# Altium PCB SensorMotherBoard.PcbDoc (part 1 of 2) (continued)
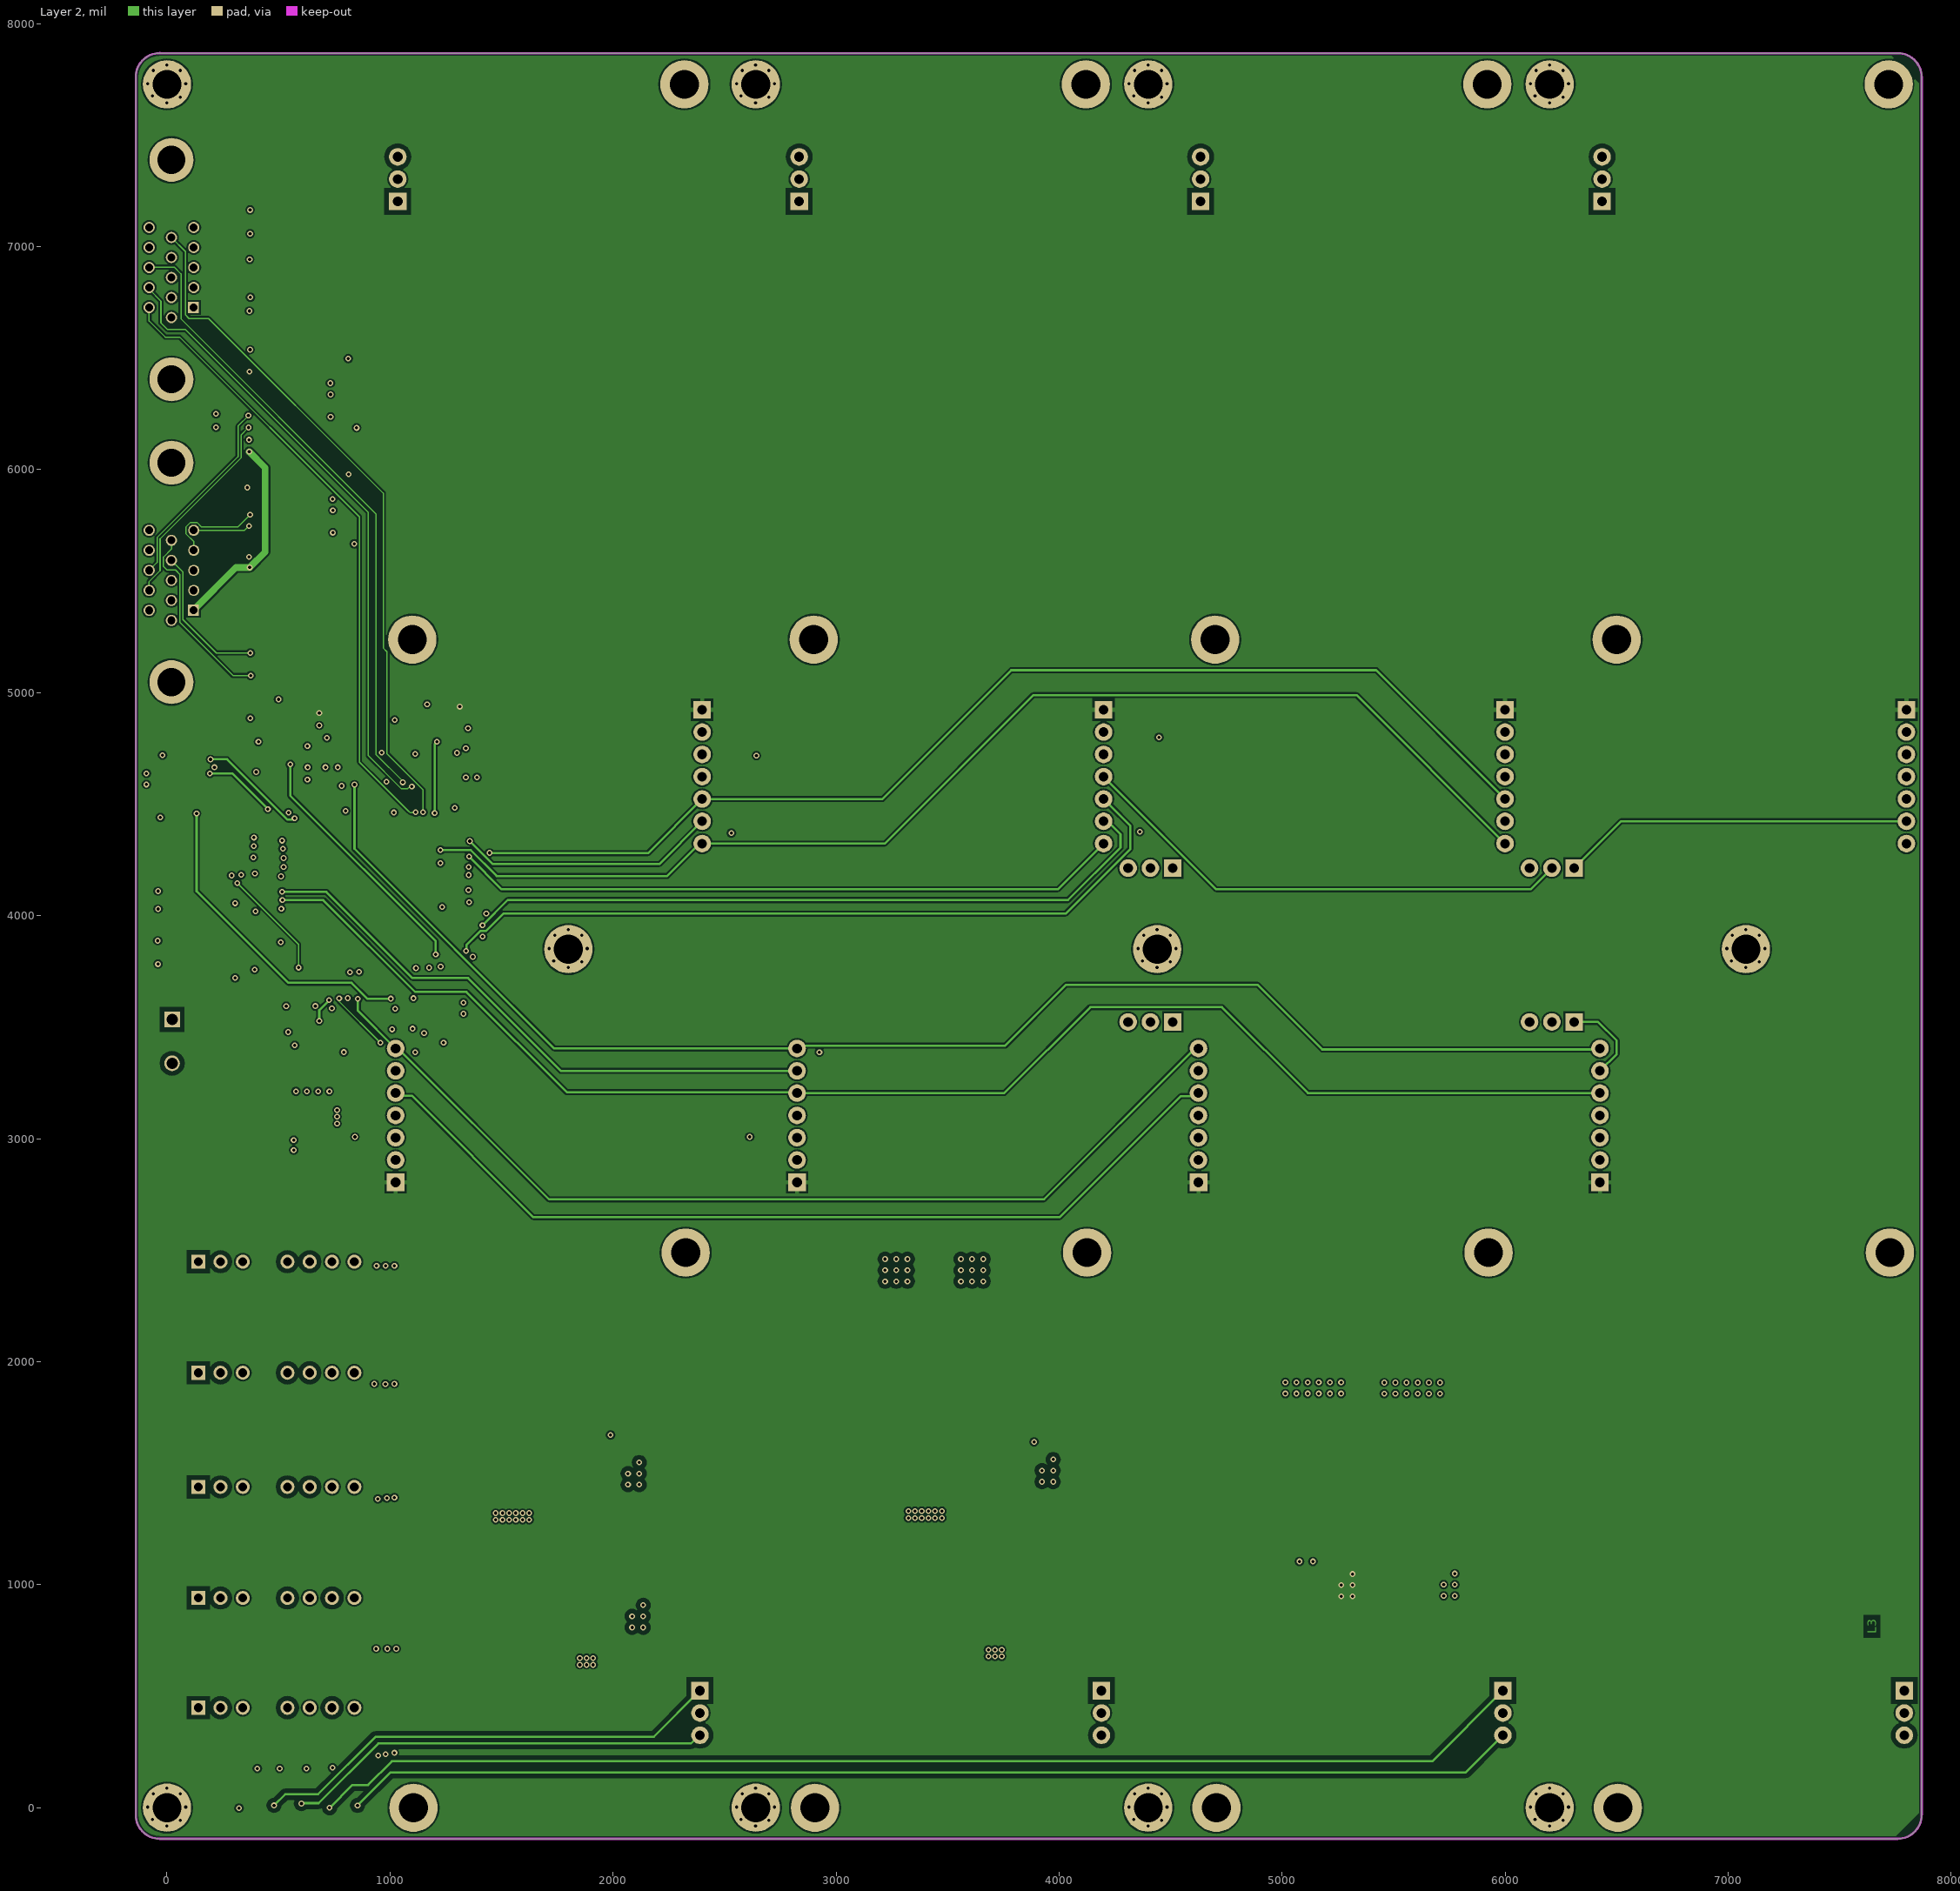
[diagram p3: Layer 2]
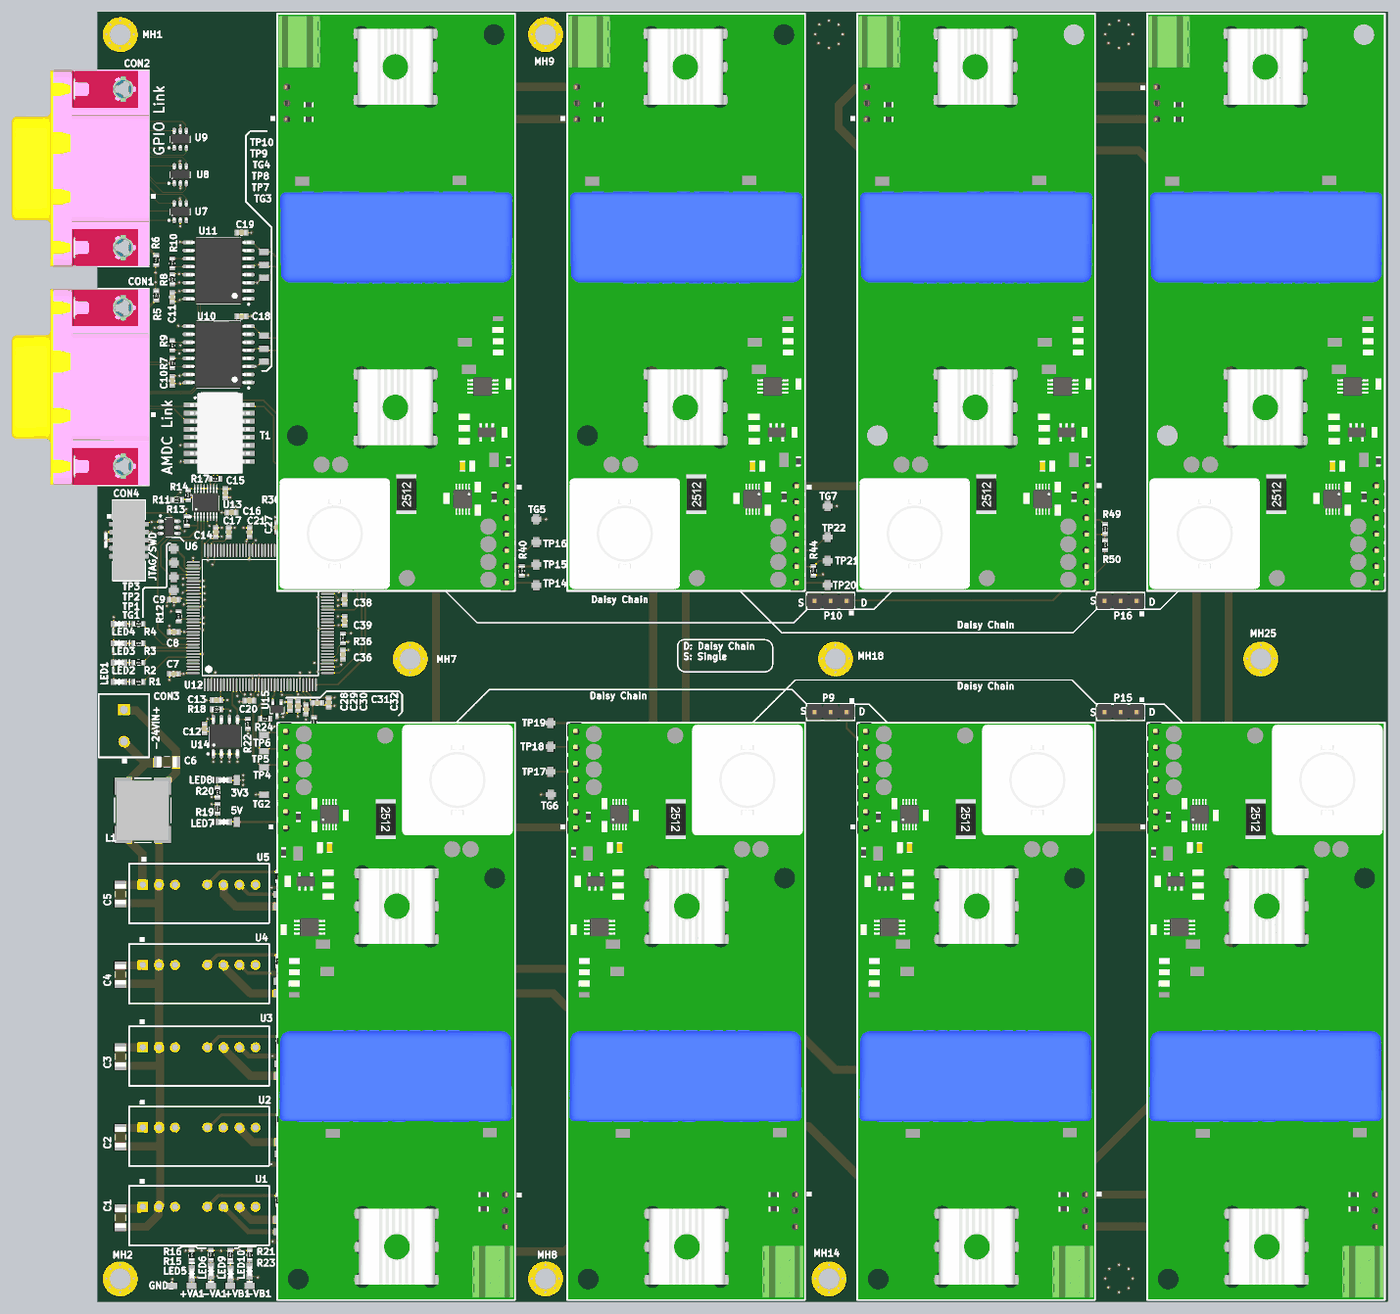
[diagram p5: 3D render of the assembled board from above, using the file's embedded part models]

## Layer stack, top to bottom
Top Solder: solder mask 0.4, Solder Resist, Dk 3.5
Top Layer: signal copper 1.4
Dielectric 2: prepreg 2.8, PP-006, Dk 4.1
Layer 1: signal copper 1.378
Dielectric 1: dielectric 12.6, FR-4, Dk 4.8
Layer 2: signal copper 1.378
Dielectric 3: prepreg 2.8, PP-006, Dk 4.1
Bottom Layer: signal copper 1.4
Bottom Solder: solder mask 0.4, Solder Resist, Dk 3.5

## Board outline
-140,-31.73 -140,7760.64 -140,7759.97 cw(c-31.73,7759.97) -31.73,7868.24 -31.97,7868 7759.72,7868 7759.72,7867.96 cw(c7759.72,7759.69) 7867.99,7759.69 7868,7759.69 7868,-31.73 7867.86,-31.73 cw(c7759.6,-31.73) 7759.6,-140 -31.73,-140 cw(c-31.73,-31.73)

## Design rules (kind name [scope] priority, off if disabled: settings)
Clearance Clearance_LVLC [InNet('5V') or InNet('3V3') or InNet('GND') vs InNet('5V') or InNet('3V3') or InNet('GND')] p1: gap=7.5 ignorepadtopadclearanceinfootprint=FALSE // low voltage high clearance
Clearance Clearance_LVHC [InNetClass('Supply_volts') vs InNet('5V') or InNet('3V3') or InNet('GND')] p2: gap=20 ignorepadtopadclearanceinfootprint=FALSE // low voltage high clearance
Clearance Clearance_LV [InNet('5V') or InNet('GND') or InNet('3V3')] p3: gap=7.5 ignorepadtopadclearanceinfootprint=FALSE
Clearance Clearance_supplyvolts [InNetClass('Supply_volts')] p4: gap=20 ignorepadtopadclearanceinfootprint=FALSE
Clearance Clearance_all [All] p5: gap=7.5 ignorepadtopadclearanceinfootprint=FALSE
Clearance Clearance_1 [InNet('HV1') vs InNet('GND')] p6: gap=50 ignorepadtopadclearanceinfootprint=FALSE except(0: Arc-Hole Track-Hole SMDPad-Hole THPad-Hole Via-Hole Fill-Hole Poly-Hole Region-Hole Text-Hole; 10: Arc-Text Track-Text SMDPad-Text THPad-Text Via-Text Fill-Text Poly-Text Region-Text Text-Text; 90: Arc-Arc Arc-Track Arc-SMDPad Arc-THPad Arc-Via Track-Track Track-SMDPad Track-THPad Track-Via SMDPad-SMDPad SMDPad-THPad SMDPad-Via THPad-THPad THPad-Via Via-Via)
ComponentClearance [All] p1: gap=0 collisioncheckmode=3 verticalgap=0 showdistances=FALSE
Height [All] p1: minheight=0 maxheight=5000 prefheight=500
HoleSize [All] p1: absolutevalues=TRUE maxlimit=150 minlimit=1 maxpercent=80.000 minpercent=20.000
PolygonConnect [All] p1: thpad.connectstyle=Relief thpad.reliefconductorwidth=20 thpad.reliefentries=4 thpad.polygonreliefangle="90 Angle" thpad.airgapwidth=10 smdpad.connectstyle=Relief smdpad.reliefconductorwidth=10 smdpad.reliefentries=4 smdpad.polygonreliefangle="90 Angle" smdpad.airgapwidth=10 via.connectstyle=Direct via.reliefconductorwidth=10 via.reliefentries=4 via.polygonreliefangle="90 Angle" via.airgapwidth=10
RoutingVias [All] p1: holewidth=14 width=26 viastyle="Through Hole" minholewidth=14 minwidth=26 maxholewidth=28 maxwidth=50
SilkToSilkClearance [All] p1: silktosilkclearance=0
SilkToSolderMaskClearance [IsPad] p1: minsilkscreentomaskgap=0 clearancetoexposedcopper=TRUE
SolderMaskExpansion [All] p1: expansion=4 istentingtop=FALSE
Width [All] p1: maxlimit=100 minlimit=6 preferedwidth=10 minimp=50.000000 maximp=50.000000 favimp=50.000000
25 further rules are at their usual default settings.

## Classes and differential pairs
net class Supply_volts: 3V3 5V 24V +5V5 +15VA +15VB +16.5VA +16.5VB -15VA -15VB -16.5VA -16.5VB GND GNDIN NetC6_1 NetC6_2 NetC42_2 NetC43_1 NetC46_2 NetC47_1 NetC49_2 NetC51_2 NetLED5_C NetLED6_A NetLED7_C NetLED8_C NetLED9_C NetLED10_A NetR25_1 NetR26_2 NetR27_1 NetR28_1 NetR29_1 NetU1_3 NetU1_8 NetU6_3 NetU6_8 NetU9_5 NetU12_5 NetU16_3 NetU16_8 NetU17_3 NetU17_8 NetU18_3 NetU18_8
component class U_SensorCard_headers: *1 DC1 DC2 DC3 DC4 DC5 DC6 DC7 DC8 P1 P2 P3 P4 P5 P6 P7 P8 P9 P10 P11 P12 P13 P14 P15 P16 P17 P18 P19 P20 R33 R40 R41 R44 R45 R46 R49 R50 R51 R52 R53 R54
component class U_Processor: C7 C8 C9 C12 C13 C14 C17 C20 C21 C27 C28 C29 C30 C31 C32 C35 C36 C37 C38 C39 CON2 CON4 LED1 LED2 LED3 LED4 R1 R2 R3 R4 R5 R12 R18 R22 R24 R34 R36 R37 TG1 TG2 TG3 TG4 TG5 TG6 TG7 TP1 TP2 TP3 TP4 TP5 TP6 TP7 TP8 TP9 TP10 TP11 TP12 TP13 TP14 TP15 TP16 TP17 TP18 TP19 TP20 TP21 TP22 U6 U7 U8 U9 U12 U14 U15
component class U_ConnectorIsolation: C10 C11 C15 C16 C18 C19 C33 C34 CON1 R6 R7 R8 R9 R10 R11 R13 R14 R17 R30 R31 R32 R35 T1 U10 U11 U13 U16
component class TopLevel: MH1 MH2 MH3 MH4 MH5 MH6 MH7 MH8 MH9 MH10 MH11 MH12 MH13 MH14 MH15 MH16 MH17 MH18 MH19 MH20 MH21 MH22 MH23 MH24 MH25 MH26 MH27
component class U_PowerIsolation: 1 2 *1 +VA1 +VB1 -VA1 -VB1 C1 C2 C3 C4 C5 C6 C22 C23 C24 C25 C26 C40 C41 C42 C43 C44 C45 C46 C47 C48 C49 C50 C51 CON3 GND1 L1 LED5 LED6 LED7 LED8 LED9 LED10 R15 R16 R19 R20 R21 R23 R25 R26 R27 R28 R29 R38 R39 R42 R43 R47 R48 U1 U2 U3 U4 U5 U17 U18 U19 U20 U21 U22

## Components (designator, comment, footprint, x,y, rotation, side; value= is the part's Value field where it differs from the comment)
3V3 "RCU-0C" RCU-0C#1 722.91,3098 r0 top
5V "RCU-0C" RCU-0C#1 722.91,2838 r0 top
+VA1 "RCU-0C" RCU-0C#1 442.91,-42 r90 top
+VB1 "RCU-0C" RCU-0C#1 682.91,-42 r90 top
-VA1 "RCU-0C" RCU-0C#1 562.91,-42 r270 top
-VB1 "RCU-0C" RCU-0C#1 802.91,-42 r270 top
C1 "6.8uF, 50V" CAP-1206 0,380 r90 top
C2 "6.8uF, 50V" CAP-1206 0,880 r270 top
C3 "6.8uF, 50V" CAP-1206 0,1380 r270 top
C4 "6.8uF, 50V" CAP-1206 0,1890 r270 top
C5 "6.8uF, 50V" CAP-1206 0,2390 r270 top
C6 "6.8uF, 50V" CAP-1206 290,3210 r180 top
C7 "Capacitor" 0603-CAP 332.91,3758 r180 top value=0.1uF
C8 "Capacitor" 0603-CAP 332.91,4018 r180 top value=0.1uF
C9 "Capacitor" 0603-CAP 332.91,4218 r180 top value=0.1uF
C10 "Capacitor" 0603-CAP 322.91,5578 r90 top value=0.1uF
C11 "Capacitor" 0603-CAP 322.91,6098 r90 top value=0.1uF
C12 "Capacitor" 0603-CAP 522.91,3418 r270 top value=0.1uF
C13 "Capacitor" 0603-CAP 598.01,3594.72 r180 top value=0.1uF
C14 "Capacitor" 0603-CAP 592.91,4638 r90 top value=0.1uF
C15 "Capacitor" 0603-CAP 652.91,4880.44 r270 top value=0.1uF
C16 "Capacitor" 0603-CAP 690,4760 r0 top value=0.1uF
C17 "Capacitor" 0603-CAP 672.91,4638 r90 top value=0.1uF
C18 "Capacitor" 0603-CAP 752.91,5978 r0 top value=0.1uF
C19 "Capacitor" 0603-CAP 752.91,6498 r0 top value=0.1uF
C20 "Capacitor" 0603-CAP 800.79,3591.39 r180 top value=0.1uF
C21 "Capacitor" 0603-CAP 802.91,4638 r90 top value=0.1uF
C22 "10uF" CAP-0805 979.27,1811.33 r270 top
C23 "10uF" CAP-0805 980,330 r270 top
C24 "10uF" CAP-0805 980,2350 r270 top
C25 "10uF" CAP-0805 985.84,1298.31 r270 top
C26 "10uF" CAP-0805 988.09,812.21 r270 top
C27 "Capacitor" 0603-CAP 972.91,4668 r90 top value=0.1uF
C28 "Capacitor" 0603-CAP 1052.91,3558 r270 top value=0.1uF
C29 "Capacitor" 0603-CAP 1103.75,3558 r90 top value=0.1uF
C30 "Capacitor" 0603-CAP 1152.91,3538 r270 top value=0.1uF
C31 "Capacitor" 0603-CAP 1222.91,3578 r0 top value=0.1uF
C32 "Capacitor" 0603-CAP 1294.26,3580.1 r270 top value=0.1uF
C33 "Capacitor" 0603-CAP 1312.91,4870.44 r270 top value=0.1uF
C34 "Capacitor" 0603-CAP 1340,4790 r0 top value=0.1uF
C35 "Capacitor" 0603-CAP 1340,4550 r90 top value=0.1uF
C36 "Capacitor" 0603-CAP 1382.91,3878 r90 top value=0.1uF
C37 "Capacitor" 0603-CAP 1390,4550 r90 top value=0.1uF
C38 "Capacitor" 0603-CAP 1392.91,4218 r270 top value=0.1uF
C39 "Capacitor" 0603-CAP 1392.91,4088 r90 top value=0.1uF
C40 "1uF" CAP-0603 1685.35,1288 r0 top
C41 "1uF" CAP-0603 1756.57,640.21 r0 top
C42 "1uF" CAP-0603 1960,1630 r180 top
C43 "1uF" CAP-0603 1963.44,807.77 r270 top
C44 "1uF" CAP-0603 3550.15,1303.73 r0 top
C45 "1uF" CAP-0603 3579.85,678 r0 top
C46 "1uF" CAP-0603 3822.44,1640 r180 top
C47 "1uF" CAP-0603 3797.41,848 r270 top
C48 "10uF" CAP-0805 5041.2,1155.95 r180 top
C49 "1uF" CAP-0603 5165.83,1171.74 r0 top
C50 "10uF" CAP-0805 5501.16,1157.96 r180 top
C51 "1uF" CAP-0603 5614.49,1173.75 r0 top
CON1 "ICD15S13E4GV00LF" ICD15S 20,5539.22 r270 top
CON2 "ICD15S13E4GV00LF" ICD15S 20,6897.29 r270 top
CON3 "TERM BLOCK 1x2" 1935161 22.91,3436.43 r270 top
CON4 "20021521-00010D4LF" 20021521-00010D4LF 54.46,4588 r270 top
DC1 "SensorBoard" SENSORBOARD 1105,-0.85 r0 top locked
DC2 "SensorBoard" SENSORBOARD 2320,7728 r180 top locked
DC3 "SensorBoard" SENSORBOARD 2905,-0.85 r0 top locked
DC4 "SensorBoard" SENSORBOARD 4120,7728 r180 top locked
DC5 "SensorBoard" SENSORBOARD 4705,-0.85 r0 top locked
DC6 "SensorBoard" SENSORBOARD 5920,7728 r180 top locked
DC7 "SensorBoard" SENSORBOARD 6505,-0.85 r0 top locked
DC8 "SensorBoard" SENSORBOARD 7720,7728 r180 top locked
GND1 "RCU-0C" RCU-0C#1 322.91,-42 r90 top
L1 "744273801" WE-SL5 140,2910 r270 top
LED1 "BLUE" 0603-LED -7.09,3708 r180 top
LED2 "GREEN" 0603-LED -7.09,3828 r180 top
LED3 "YELLOW" 0603-LED -7.09,3948 r180 top
LED4 "RED" 0603-LED -7.09,4068 r180 top
LED5 "RED" 0603-LED 444.18,32.84 r270 top
LED6 "YELLOW" 0603-LED 562.91,48 r90 top
LED7 "RED" 0603-LED 642.91,2838 r0 top
LED8 "RED" 0603-LED 642.91,3098 r0 top
LED9 "RED" 0603-LED 684.17,31.63 r270 top
LED10 "YELLOW" 0603-LED 802.91,48 r90 top
MH1 "M3" "MOUNTING HOLE - M3"#1 -120,7713 r0 top
MH2 "M3" "MOUNTING HOLE - M3"#2 8030,38 r0 top
MH3 "M3" "MOUNTING HOLE - M3"#3 759.67,12688.58 r0 top locked
MH4 "M3" "MOUNTING HOLE - M3"#4 1590.52,9954.09 r0 top locked
MH5 "M3" "MOUNTING HOLE - M3"#5 -5405,7708 r180 top locked
MH6 "M3" "MOUNTING HOLE - M3"#6 3225.52,12444.09 r0 top locked
MH7 "M3" "MOUNTING HOLE - M3"#7 2605.52,3749.09 r0 top
MH8 "M3" "MOUNTING HOLE - M3"#8 8064.48,38 r0 top
MH9 "M3" "MOUNTING HOLE - M3"#9 2533.59,2984.57 r0 top
MH10 "M3" "MOUNTING HOLE - M3"#10 9794.13,-687 r180 top locked
MH11 "M3" "MOUNTING HOLE - M3"#11 -2395.33,14310.84 r0 top locked
MH12 "M3" "MOUNTING HOLE - M3"#12 5435,9075.73 r180 top locked
MH13 "M3" "MOUNTING HOLE - M3"#13 -15284.46,11813.58 r0 top locked
MH14 "M3" "MOUNTING HOLE - M3"#14 8030,38 r0 top
MH15 "M3" "MOUNTING HOLE - M3"#15 4900,8763 r0 top
MH16 "M3" "MOUNTING HOLE - M3"#16 4335,5248 r180 top locked
MH17 "M3" "MOUNTING HOLE - M3"#17 2191.67,15024.58 r0 top locked
MH18 "M3" "MOUNTING HOLE - M3"#18 5213.79,3878.57 r0 top
MH19 "M3" "MOUNTING HOLE - M3"#19 7485,1763 r180 top locked
MH20 "M3" "MOUNTING HOLE - M3"#20 -1315.33,15233.58 r0 top locked
MH21 "M3" "MOUNTING HOLE - M3"#21 8320,38 r0 top
MH22 "M3" "MOUNTING HOLE - M3"#22 5175,8763 r0 top
MH23 "M3" "MOUNTING HOLE - M3"#16 6135,5248 r180 top locked
MH24 "M3" "MOUNTING HOLE - M3"#23 -2364.33,6239.58 r0 top locked
MH25 "M3" "MOUNTING HOLE - M3"#24 7085.52,3849.09 r0 top
MH26 "M3" "MOUNTING HOLE - M3"#25 7860,2923 r180 top locked
MH27 "M3" "MOUNTING HOLE - M3"#26 -14390.33,12453.58 r0 top locked
P1 "HDR1X7" HDR1X7 1025.2,2804.25 r90 top
P2 "HDR1x3" "HDR1X3 - MALE" 1034.76,7203.07 r90 top locked
P3 "HDR1x3" "HDR1X3 - MALE" 2389.99,524.29 r270 top locked
P4 "HDR1X7" HDR1X7 2399.64,4923.26 r270 top
P5 "HDR1X7" HDR1X7 2825.2,2804.25 r90 top
P6 "HDR1x3" "HDR1X3 - MALE" 2834.76,7203.07 r90 top locked
P7 "HDR1x3" "HDR1X3 - MALE" 4189.99,524.29 r270 top locked
P8 "HDR1X7" HDR1X7 4199.64,4923.26 r270 top
P9 "HDR1x3" "HDR1X3 - MALE" 4509.64,3523.26 r180 top
P10 "HDR1x3" "HDR1X3 - MALE" 4509.64,4213.26 r180 top
P11 "HDR1X7" HDR1X7 4625.2,2804.25 r90 top
P12 "HDR1x3" "HDR1X3 - MALE" 4634.76,7203.07 r90 top locked
P13 "HDR1x3" "HDR1X3 - MALE" 5989.99,524.29 r270 top locked
P14 "HDR1X7" HDR1X7 5999.64,4923.26 r270 top
P15 "HDR1x3" "HDR1X3 - MALE" 6309.64,3523.26 r180 top
P16 "HDR1x3" "HDR1X3 - MALE" 6309.64,4213.26 r180 top
P17 "HDR1X7" HDR1X7 6425.2,2804.25 r90 top
P18 "HDR1x3" "HDR1X3 - MALE" 6434.76,7203.07 r90 top locked
P19 "HDR1x3" "HDR1X3 - MALE" 7789.99,524.29 r270 top locked
P20 "HDR1X7" HDR1X7 7799.64,4923.26 r270 top
R1 "Resistor" RES-0603 112.91,3708 r0 top value=470
R2 "Resistor" RES-0603 112.91,3828 r0 top value=470
R3 "Resistor" RES-0603 112.91,3948 r0 top value=470
R4 "Resistor" RES-0603 112.91,4068 r0 top value=470
R5 "Resistor" 0603-RES 222.91,6108 r270 top value=DNP
R6 "Resistor" 0603-RES 222.91,6328 r90 top value=DNP
R7 "Resistor" 0603-RES 322.91,5688 r270 top value=120
R8 "Resistor" 0603-RES 322.91,6208 r270 top value=120
R9 "Resistor" 0603-RES 322.91,5798 r90 top value=120
R10 "Resistor" 0603-RES 322.91,6308 r90 top value=120
R11 "Resistor" 0603-RES 352.91,4838 r0 top value=1.2k
R12 "Resistor" 0603-RES 362.91,4115.56 r90 top value=0R
R13 "Resistor" 0603-RES 412.91,4708 r270 top value=2.8k
R14 "Resistor" 0603-RES 422.91,4868 r90 top value=2.8k
R15 "Resistor" RES-0603 442.91,148 r270 top value=3k
R16 "Resistor" RES-0603 562.91,148 r270 top value=3k
R17 "Resistor" 0603-RES 590,4970 r0 top value=120
R18 "Resistor" RES-0603 598.01,3538 r180 top value=10k
R19 "Resistor" RES-0603 602.91,2920.44 r270 top value=470
R20 "Resistor" RES-0603 602.91,3020.44 r90 top value=470
R21 "Resistor" RES-0603 682.91,148 r270 top value=3k
R22 "Resistor" RES-0603 792.91,3448 r270 top value=10k
R23 "Resistor" RES-0603 802.91,148 r270 top value=3k
R24 "Resistor" 0603-RES 900,3480 r0 top value=0R
R25 "Resistor" RES-0603 980,490 r270 top value=15.33k
R26 "Resistor" RES-0603 980,2500 r90 top value=10k
R27 "Resistor" RES-0603 980.59,1972.02 r270 top value=15.33k
R28 "Resistor" RES-0603 985.84,1478.31 r270 top value=15.33k
R29 "Resistor" RES-0603 988.09,992.21 r270 top value=15.33k
R30 "Resistor" 0603-RES 1022.91,4838 r0 top value=1.2k
R31 "Resistor" 0603-RES 1062.91,4708 r270 top value=2.8k
R32 "Resistor" 0603-RES 1092.91,4868 r90 top value=2.8k
R33 "DNP" RES-0603 1112.91,3318 r90 top value=10k
R34 "Resistor" 0603-RES 1202.91,3458 r90 top value=0R
R35 "Resistor" 0603-RES 1232.91,4968 r0 top value=120
R36 "Resistor" 0603-RES 1382.91,3978 r270 top value=0R
R37 "Resistor" 0603-RES 1392.91,4348 r270 top value=0R
R38 "Resistor" RES-1206 2010.32,1548 r180 top value=0
R39 "Resistor" RES-1206 2028.4,907.77 r0 top value=0
R40 "DNP" RES-0603 2492.91,4398 r270 top value=10k
R41 "DNP" RES-0603 2922.91,3328 r90 top value=10k
R42 "Resistor" RES-1206 3866.4,1561.29 r180 top value=0
R43 "Resistor" RES-1206 3867.41,948 r0 top value=0
R44 "DNP" RES-0603 4302.91,4398 r270 top value=10k
R45 "Resistor" 0603-RES 4722.91,3148 r270 top value=0R
R46 "DNP" 0603-RES 4722.91,3048 r90 top value=0R
R47 "Resistor" RES-1206 5265.83,1104.65 r270 top value=0
R48 "Resistor" RES-1206 5724.49,1106.66 r270 top value=0
R49 "DNP" 0603-RES 6112.91,4658 r270 top value=0R
R50 "Resistor" 0603-RES 6112.91,4558 r90 top value=0R
R51 "Resistor" 0603-RES 6522.91,3148 r270 top value=0R
R52 "DNP" 0603-RES 6522.91,3048 r90 top value=0R
R53 "DNP" 0603-RES 7702.91,4668 r270 top value=0R
R54 "Resistor" 0603-RES 7702.91,4568 r90 top value=0R
T1 "HX1188NLT" HX1188NLT 615,5252.29 r270 top
TG1 "RCU-0C" RCU-0C#2 332.38,4276.75 r90 top
TG2 "RCU-0C" RCU-0C#1 892.91,3008 r90 top
TG3 "RCU-0C" RCU-0C#1 892.91,5698 r90 top
TG4 "RCU-0C" RCU-0C#1 892.91,6218 r90 top
TG5 "RCU-0C" RCU-0C#2 2582.91,4718 r90 top
TG6 "RCU-0C" RCU-0C#2 2672.91,3008 r90 top
TG7 "RCU-0C" RCU-0C#2 4391.69,4799.75 r90 top
TP1 "RCU-0C" RCU-0C#2 332.91,4358 r90 top
TP2 "RCU-0C" RCU-0C#2 333.43,4446.92 r90 top
TP3 "RCU-0C" RCU-0C#2 331.36,4535.78 r90 top
TP4 "RCU-0C" RCU-0C#1 892.91,3178 r90 top
TP5 "RCU-0C" RCU-0C#1 892.91,3278 r90 top
TP6 "RCU-0C" RCU-0C#1 892.91,3378 r90 top
TP7 "RCU-0C" RCU-0C#1 892.91,5778 r90 top
TP8 "RCU-0C" RCU-0C#1 892.91,5858 r90 top
TP9 "RCU-0C" RCU-0C#1 892.91,6298 r90 top
TP10 "RCU-0C" RCU-0C#1 892.91,6378 r90 top
TP11 "RCU-0C" RCU-0C#1 1052.91,4638 r90 top
TP12 "RCU-0C" RCU-0C#1 1132.91,4638 r90 top
TP13 "RCU-0C" RCU-0C#1 1212.91,4638 r90 top
TP14 "RCU-0C" RCU-0C#2 2582.91,4308 r90 top
TP15 "RCU-0C" RCU-0C#2 2582.91,4436.17 r90 top
TP16 "RCU-0C" RCU-0C#2 2582.91,4575.31 r90 top
TP17 "RCU-0C" RCU-0C#2 2671.16,3149.27 r90 top
TP18 "RCU-0C" RCU-0C#2 2671.16,3305.09 r90 top
TP19 "RCU-0C" RCU-0C#2 2671.16,3452.04 r90 top
TP20 "RCU-0C" RCU-0C#2 4391.69,4310 r90 top
TP21 "RCU-0C" RCU-0C#2 4391.69,4459.35 r90 top
TP22 "RCU-0C" RCU-0C#2 4391.69,4607.38 r90 top
U1 "DCDC Converter RS6" "RS6 DCDC" 140,448 r0 top
U2 "DCDC Converter RS6" "RS6 DCDC" 140,940.21 r0 top
U3 "DCDC Converter RS6" "RS6 DCDC" 140,1438.31 r0 top
U4 "DCDC Converter RS6" "RS6 DCDC" 140,1950 r0 top
U5 "RS6-2405S" "RS6 DCDC" 140,2448 r0 top
U6 "NUP4114HMR6T1G" TSOP95P280X110-6N 302.91,4668 r0 top
U7 "NUP4114HMR6T1G" TSOP95P280X110-6N 372.91,6628 r90 top
U8 "NUP4114HMR6T1G" TSOP95P280X110-6N 372.91,6858 r90 top
U9 "NUP4114HMR6T1G" TSOP95P280X110-6N 372.91,7078 r90 top
U10 "ISO3086TDWR" SOIC127P1030X265-16N 610.59,5742.29 r180 top
U11 "ISO3086TDWR" SOIC127P1030X265-16N 610.59,6262.29 r180 top
U12 "STM32F765ZGT6" STM-LQFP144_M 870,4107.29 r90 top
U13 "LTC6820IMS#TRPBF" TSSOP50P490X110-16N 530.72,4821.01 r90 top
U14 "24LC64T-I/SN" SOIC127P600X175-8N 652.91,3368 r90 top
U15 "MAX7375AXR805+T" SOT65P210X110-3N 972.8,3538.72 r270 top
U16 "LTC6820IMS#TRPBF" TSSOP50P490X110-16N 1203.7,4815.6 r90 top
U17 "MC78M15CDTRKG" DPAK229P991X238-3N 1689.69,1458.04 r180 top
U18 "MC79M15CDTRKG" DPAK229P991X238-3N 1707.77,810.21 r180 top
U19 "MC79M15CDTRKG" DPAK229P991X238-3N 3539.69,848 r180 top
U20 "MC78M15CDTRKG" DPAK229P991X238-3N 3539.69,1466.04 r180 top
U21 "MCP1826T-5002E/ET" 5-DDPAK 5138.28,1299.02 r0 top
U22 "MCP1826T-3302E/ET" 5-DDPAK 5588.28,1299.02 r0 top
